# Altium PCB Arribada-PMP-PCB.PcbDoc (part 3 of 4)
Units mm, origin at the board's own origin, x right, y up, seen from the top; angles counter-clockwise.
Board outline 176.52 x 112.75 mm, 2 copper layers (Top Layer, Bottom Layer), stack 1.671 mm thick; 157 components, 106 nets, 620 pads, 1322 vias.
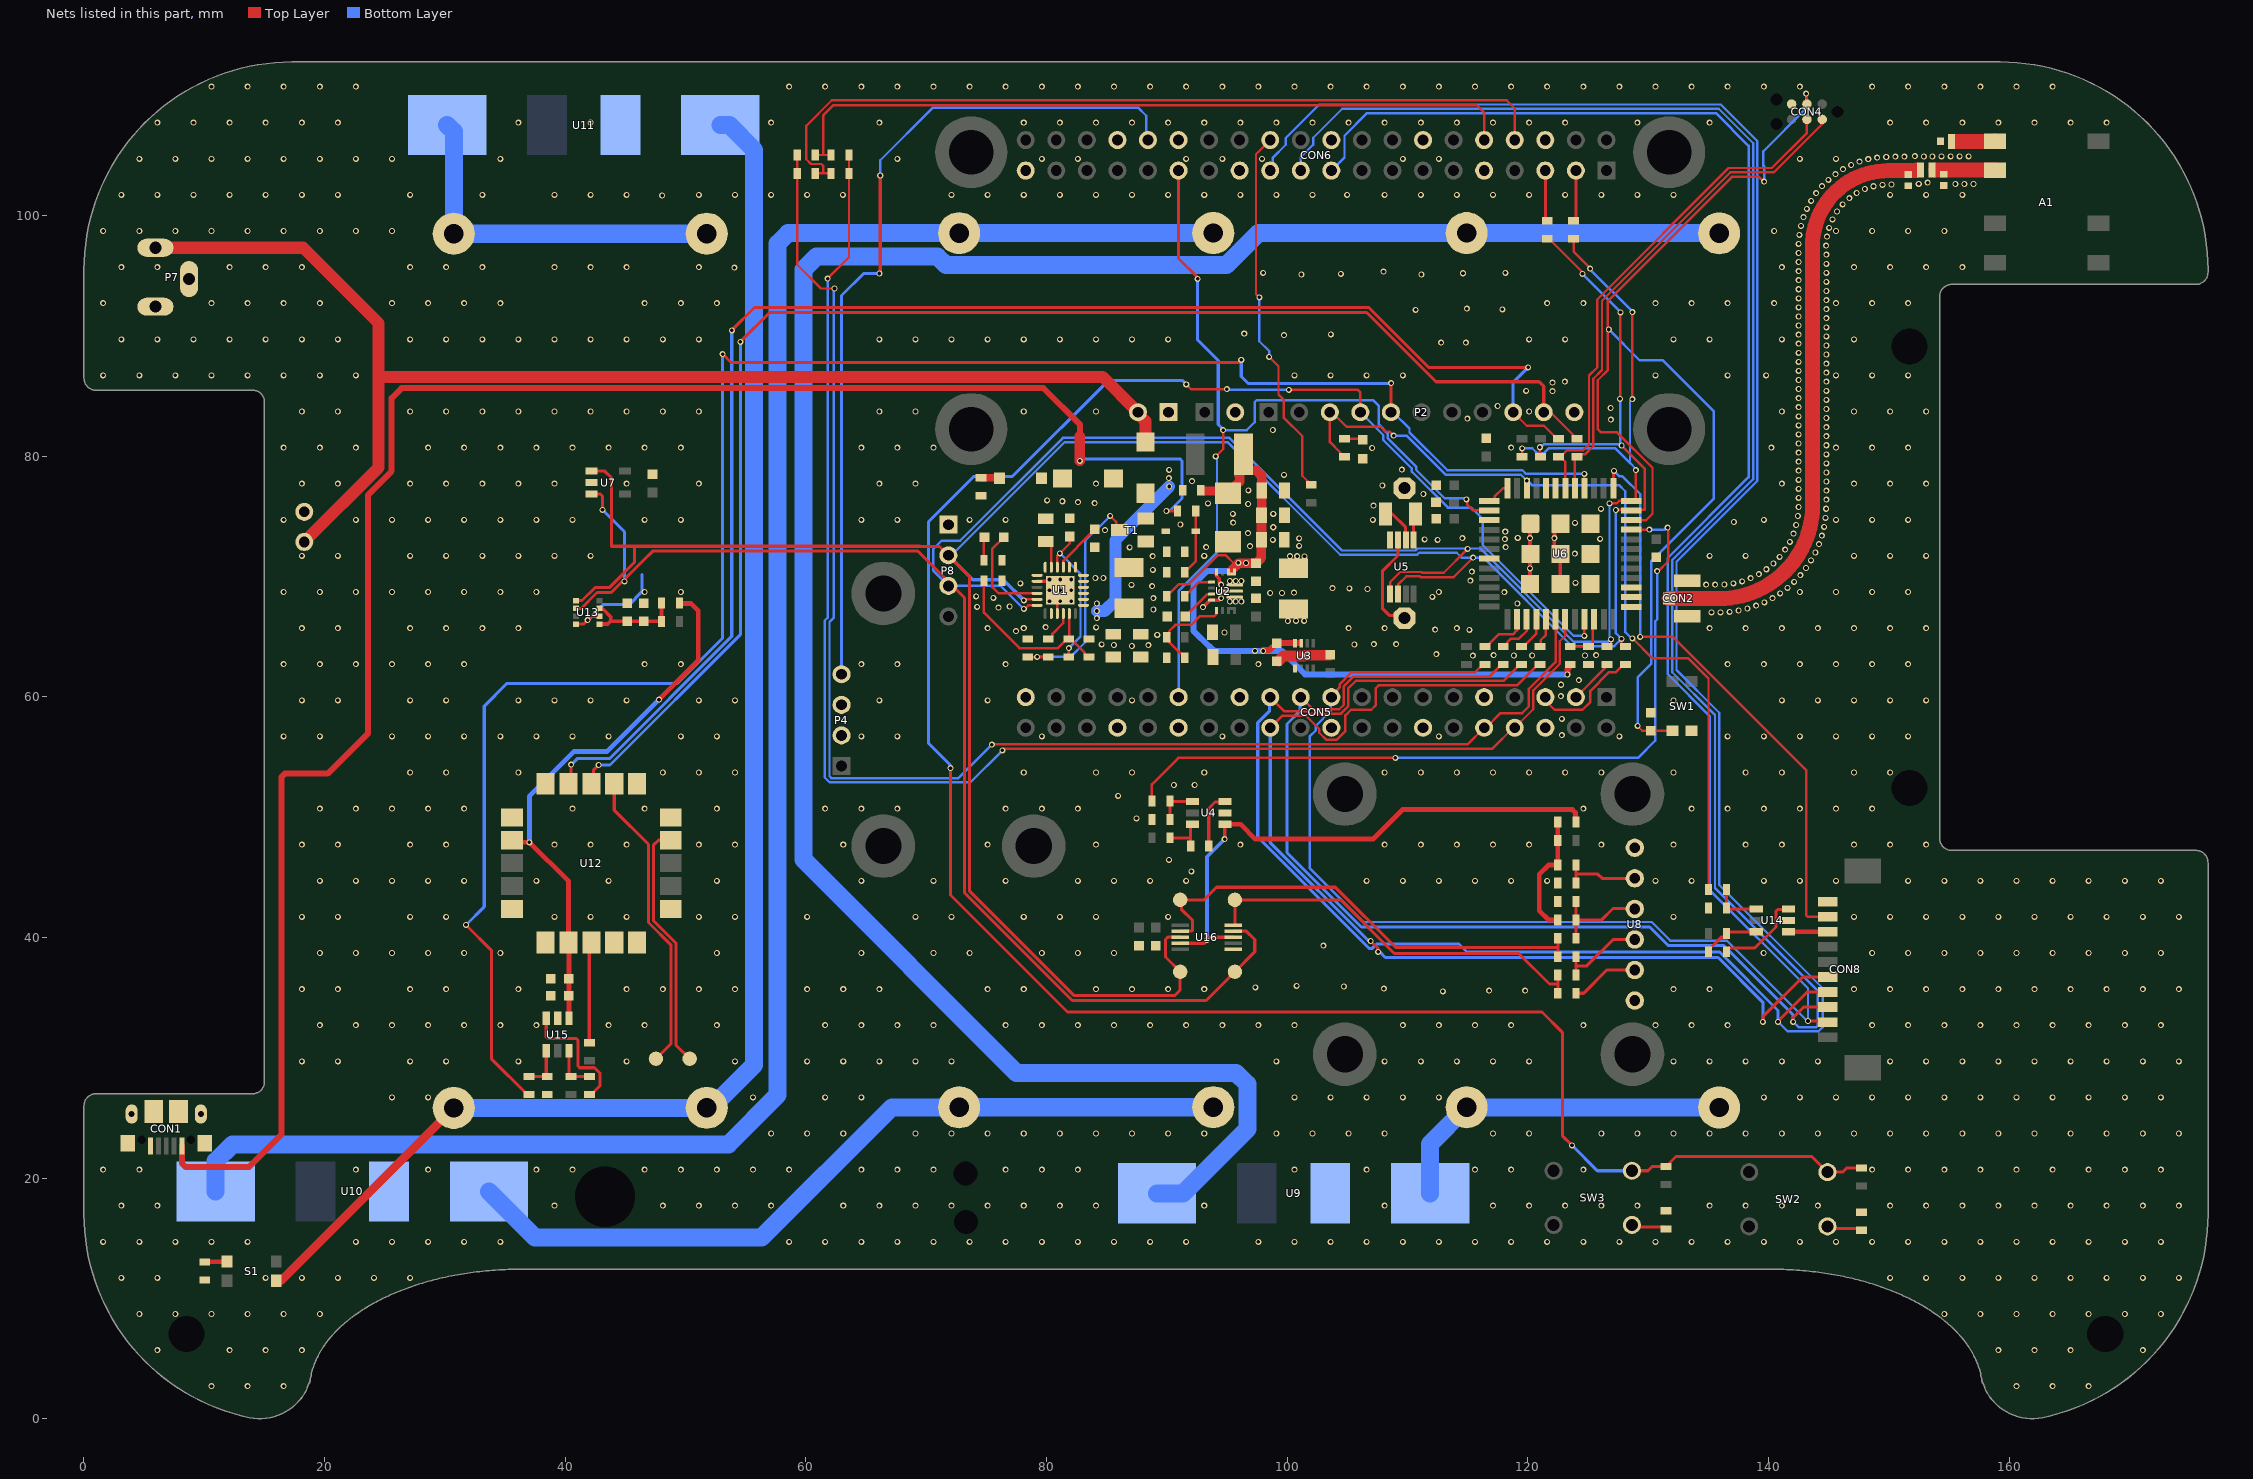
[diagram p3: the nets of this part, all layers, seen from the top]

## Via types
v1: diameter 0.5, hole 0.3, Top Layer to Bottom Layer, tented both sides, 1312 vias
v2: diameter 0.7, hole 0.5, Top Layer to Bottom Layer, tented both sides, 10 vias

## Nets (pads, with @x,y where several pads share a name; then routed paths per layer and width w, separated by ;. In a path a pad name is that pad's centre, name@x,y a point inside that pad or via, vN(x,y) a via of type N, cw(c..) or ccw(c..) an arc to the next point about the centre after c; other vN are vias at no path point) (continued)
GND: C1.2 C2.2 C4.2 C5.2 C6.1 C7.1 C8.1 C9.1 C10.1 C11.1 C12.1 C13.1 C14.2 C15.2 C16.1 C17.1 C18.1 C19.1 C20.1 C22.2 C23.2 C24.1 C25.1 C26.1 C27.1 C28.1 C29.1 CON1.5 CON1.6 CON1.7 CON1.8 CON1.9 CON1.10 CON1.11 CON2.2 CON3.NEG CON4.5 CON5.6 CON5.9 CON5.14 CON5.20 CON5.25 CON5.30 CON5.34 CON5.39 CON6.6 CON6.9 CON6.14 CON6.20 CON6.25 CON6.30 CON6.34 CON6.39 CON7.2 CON8.10 D1.2 D7.1 L3.1 L4.1 L5.1 P1.2 P2.11 P3.1 P4.2 P4.3 P7.2 P7.3 P8.1 R2.1 R8.1 R10.1 R12.1 R13.1 R14.1 R15.1 R32.1 R39.1 R40.2 R41.1 R47.2 R49.2 R51.2 R52.2 R62.2 SW1.1 T1.2 U1.2 U1.8 U1.9 U1.17 U1.18 U1.25 U2.4 U2.10 U2.15 U3.0 U3.1 U4.5 U5.4 U6.3 U6.7 U6.25 U6.27 U6.43 U6.44 U6.49 U6.50 U6.51 U6.52 U6.53 U6.54 U6.55 U6.56 U6.57 U7.2 U8.1 U8.6 U9.3 U10.3 U11.3 U12.1 U12.4 U12.5 U12.6 U12.10 U12.11 U12.15 U12.16 U12.20 U13.1 U13.7 U14.5 U15.5 U16.6 | length 31.8
  Top Layer w0.203: U1.9@80.887,66.926 80.887,68.601 v1(81.137,68.851)
  Top Layer w0.254: U13.1@40.89,66.046 41.535,66.046 v1(41.86,66.371) 42.185,66.696 U13.7@42.83,66.696
  Top Layer w0.3: U1.2@79.212,69.601 80.387,69.601 v1(81.137,68.851) ; v1(92.997,67.451) 93.577,68.031 U2.4@93.714,68.031 94.342,68.031 v1(94.507,68.196) ; U2.15@94.114,70.381 94.114,70.052 94.357,69.81 94.357,69.471 v1(94.507,69.321) ; C13.1@99.112,62.963 C13.1@99.262,62.963 ; U3.0@101.397,63.401 U3.0@101.45,63.454 ; C14.2@103.53,63.454 C14.2@103.584,63.508 ; U6.55@120.174,69.381 120.174,70.591 120.174,71.881 120.174,73.191 120.177,73.194 120.177,74.359 U6.49@120.199,74.381 ; U6.56@122.517,69.199 U6.56@122.699,69.381 U6.53@122.699,71.881 122.197,72.383 122.197,73.181 122.207,73.191 122.207,73.889 U6.50@122.699,74.381
  Top Layer w0.9: C13.1@99.262,62.963 99.699,63.401 U3.0@101.397,63.401 ; U3.0@101.45,63.454 C14.2@103.53,63.454
  Bottom Layer w0.254: v1(41.86,66.371) 43.15,67.661 45.305,67.661 46.365,68.721 46.365,70.171
  other v1: 10.601,2.71 13.601,2.71 16.601,2.71 160.601,2.71 163.601,2.71 166.601,2.71 6.101,5.71 12.101,5.71 15.101,5.71 18.101,5.71 159.101,5.71 162.101,5.71 165.101,5.71 171.101,5.71 4.601,8.71 7.601,8.71 10.601,8.71 13.601,8.71 16.601,8.71 19.601,8.71 154.601,8.71 157.601,8.71 160.601,8.71 163.601,8.71 166.601,8.71 169.601,8.71 172.601,8.71 3.101,11.71 6.101,11.71 15.101,11.71 18.101,11.71 21.101,11.71 24.101,11.71 27.101,11.71 150.101,11.71 153.101,11.71 156.101,11.71 159.101,11.71 162.101,11.71 165.101,11.71 168.101,11.71 171.101,11.71 174.101,11.71 1.601,14.71 4.601,14.71 7.601,14.71 10.601,14.71 13.601,14.71 22.601,14.71 25.601,14.71 28.601,14.71 31.601,14.71 34.601,14.71 58.601,14.71 61.601,14.71 64.601,14.71 67.601,14.71 70.601,14.71 73.601,14.71 76.601,14.71 79.601,14.71 82.601,14.71 85.601,14.71 88.601,14.71 91.601,14.71 97.601,14.71 100.601,14.71 103.601,14.71 106.601,14.71 109.601,14.71 112.601,14.71 115.601,14.71 118.601,14.71 121.601,14.71 124.601,14.71 127.601,14.71 130.601,14.71 133.601,14.71 136.601,14.71 139.601,14.71 142.601,14.71 145.601,14.71 148.601,14.71 151.601,14.71 154.601,14.71 157.601,14.71 160.601,14.71 163.601,14.71 166.601,14.71 169.601,14.71 172.601,14.71 3.101,17.71 6.101,17.71 39.101,17.71 48.101,17.71 51.101,17.71 54.101,17.71 57.101,17.71 63.101,17.71 66.101,17.71 69.101,17.71 72.101,17.71 75.101,17.71 78.101,17.71 81.101,17.71 84.101,17.71 93.101,17.71 108.101,17.71 117.101,17.71 120.101,17.71 123.101,17.71 126.101,17.71 129.101,17.71 135.101,17.71 138.101,17.71 141.101,17.71 144.101,17.71 150.101,17.71 153.101,17.71 156.101,17.71 159.101,17.71 162.101,17.71 165.101,17.71 168.101,17.71 171.101,17.71 174.101,17.71 1.601,20.71 4.601,20.71 22.601,20.71 28.601,20.71 37.601,20.71 40.601,20.71 46.601,20.71 49.601,20.71 52.601,20.71 55.601,20.71 58.601,20.71 64.601,20.71 67.601,20.71 70.601,20.71 76.601,20.71 79.601,20.71 82.601,20.71 100.601,20.71 106.601,20.71 115.601,20.71 118.601,20.71 124.601,20.71 148.601,20.71 151.601,20.71 154.601,20.71 157.601,20.71 160.601,20.71 163.601,20.71 166.601,20.71 169.601,20.71 172.601,20.71 57.101,23.71 60.101,23.71 63.101,23.71 69.101,23.71 72.101,23.71 75.101,23.71 78.101,23.71 81.101,23.71 84.101,23.71 87.101,23.71 90.101,23.71 93.101,23.71 99.101,23.71 102.101,23.71 105.101,23.71 108.101,23.71 117.101,23.71 120.101,23.71 126.101,23.71 129.101,23.71 132.101,23.71 135.101,23.71 138.101,23.71 141.101,23.71 144.101,23.71 147.101,23.71 150.101,23.71 153.101,23.71 156.101,23.71 159.101,23.71 162.101,23.71 165.101,23.71 168.101,23.71 171.101,23.71 174.101,23.71 25.601,26.71 28.601,26.71 55.601,26.71 61.601,26.71 64.601,26.71 100.601,26.71 103.601,26.71 106.601,26.71 109.601,26.71 112.601,26.71 139.601,26.71 142.601,26.71 145.601,26.71 148.601,26.71 151.601,26.71 154.601,26.71 157.601,26.71 160.601,26.71 163.601,26.71 166.601,26.71 169.601,26.71 172.601,26.71 18.101,29.71 21.101,29.71 27.101,29.71 30.101,29.71 36.101,29.71 45.101,29.71 54.101,29.71 60.101,29.71 63.101,29.71 66.101,29.71 69.101,29.71 72.101,29.71 99.101,29.71 108.101,29.71 111.101,29.71 114.101,29.71 117.101,29.71 120.101,29.71 132.101,29.71 135.101,29.71 138.101,29.71 141.101,29.71 144.101,29.71 150.101,29.71 153.101,29.71 156.101,29.71 159.101,29.71 162.101,29.71 165.101,29.71 168.101,29.71 171.101,29.71 174.101,29.71 19.601,32.71 22.601,32.71 25.601,32.71 28.601,32.71 31.601,32.71 34.601,32.71 37.601,32.71 43.601,32.71 46.601,32.71 52.601,32.71 61.601,32.71 64.601,32.71 67.601,32.71 70.601,32.71 76.601,32.71 79.601,32.71 82.601,32.71 85.601,32.71 88.601,32.71 91.601,32.71 94.601,32.71 97.601,32.71 100.601,32.71 109.601,32.71 112.601,32.71 115.601,32.71 118.601,32.71 124.601,32.71 130.601,32.71 133.601,32.71 136.601,32.71 148.601,32.71 151.601,32.71 154.601,32.71 157.601,32.71 160.601,32.71 163.601,32.71 166.601,32.71 169.601,32.71 172.601,32.71 112.925,35.525 116.775,35.575 119.775,35.575 18.101,35.71 21.101,35.71 27.101,35.71 30.101,35.71 36.101,35.71 45.101,35.71 48.101,35.71 51.101,35.71 54.101,35.71 60.101,35.71 63.101,35.71 66.101,35.71 75.101,35.71 78.101,35.71 84.101,35.71 87.101,35.71 90.101,35.71 93.101,35.71 132.101,35.71 135.101,35.71 147.101,35.71 150.101,35.71 153.101,35.71 156.101,35.71 159.101,35.71 162.101,35.71 165.101,35.71 168.101,35.71 171.101,35.71 174.101,35.71 108.025,35.75 97.35,35.85 104.7,35.925 100.775,35.975 139.596,38.705 19.601,38.71 22.601,38.71 25.601,38.71 28.601,38.71 31.601,38.71 34.601,38.71 52.601,38.71 64.601,38.71 70.601,38.71 73.601,38.71 79.601,38.71 82.601,38.71 85.601,38.71 148.601,38.71 151.601,38.71 154.601,38.71 157.601,38.71 160.601,38.71 163.601,38.71 166.601,38.71 169.601,38.71 172.601,38.71 103,39.325 18.101,41.71 21.101,41.71 27.101,41.71 30.101,41.71 39.101,41.71 42.101,41.71 45.101,41.71 51.101,41.71 54.101,41.71 60.101,41.71 69.101,41.71 72.101,41.71 78.101,41.71 81.101,41.71 84.101,41.71 90.101,41.71 132.101,41.71 147.101,41.71 150.101,41.71 153.101,41.71 156.101,41.71 159.101,41.71 162.101,41.71 165.101,41.71 168.101,41.71 171.101,41.71 174.101,41.71 19.601,44.71 22.601,44.71 25.601,44.71 28.601,44.71 31.601,44.71 37.601,44.71 43.601,44.71 52.601,44.71 64.601,44.71 70.601,44.71 76.601,44.71 82.601,44.71 85.601,44.71 88.601,44.71 91.601,44.71 106.601,44.71 109.601,44.71 112.601,44.71 115.601,44.71 118.601,44.71 121.601,44.71 130.601,44.71 133.601,44.71 139.601,44.71 142.601,44.71 145.601,44.71 151.601,44.71 154.601,44.71 157.601,44.71 160.601,44.71 163.601,44.71 166.601,44.71 169.601,44.71 172.601,44.71 92.025,45.5 90.175,46.45 18.101,47.71 21.101,47.71 27.101,47.71 30.101,47.71 39.101,47.71 42.101,47.71 45.101,47.71 51.101,47.71 54.101,47.71 63.101,47.71 75.101,47.71 84.101,47.71 96.101,47.71 108.101,47.71 111.101,47.71 114.101,47.71 117.101,47.71 120.101,47.71 126.101,47.71 132.101,47.71 138.101,47.71 141.101,47.71 147.101,47.71 150.101,47.71 153.101,47.71 87.475,49.9 19.601,50.71 22.601,50.71 25.601,50.71 28.601,50.71 31.601,50.71 40.601,50.71 46.601,50.71 52.601,50.71 61.601,50.71 64.601,50.71 67.601,50.71 76.601,50.71 79.601,50.71 82.601,50.71 124.601,50.71 133.601,50.71 136.601,50.71 139.601,50.71 142.601,50.71 145.601,50.71 148.601,50.71 85.95,51.775 90.575,52.675 92.3,52.675 27.101,53.71 30.101,53.71 36.101,53.71 48.101,53.71 51.101,53.71 54.101,53.71 78.101,53.71 84.101,53.71 87.101,53.71 93.101,53.71 108.101,53.71 111.101,53.71 114.101,53.71 117.101,53.71 120.101,53.71 123.101,53.71 126.101,53.71 132.101,53.71 138.101,53.71 141.101,53.71 147.101,53.71 150.101,53.71 16.601,56.71 19.601,56.71 25.601,56.71 28.601,56.71 31.601,56.71 34.601,56.71 37.601,56.71 40.601,56.71 43.601,56.71 49.601,56.71 52.601,56.71 64.601,56.71 67.601,56.71 79.601,56.71 94.601,56.71 112.601,56.71 127.601,56.71 136.601,56.71 139.601,56.71 142.601,56.71 145.601,56.71 148.601,56.71 151.601,56.71 122.825,56.811 122.815,58.171 18.101,59.71 21.101,59.71 27.101,59.71 30.101,59.71 36.101,59.71 39.101,59.71 42.101,59.71 45.101,59.71 51.101,59.71 54.101,59.71 66.101,59.71 75.101,59.71 87.101,59.71 132.101,59.71 141.101,59.71 144.101,59.71 147.101,59.71 150.101,59.71 153.101,59.71 122.735,60.051 122.745,61.001 124.225,61.391 16.601,62.71 19.601,62.71 22.601,62.71 25.601,62.71 28.601,62.71 31.601,62.71 46.601,62.71 49.601,62.71 64.601,62.71 67.601,62.71 76.601,62.71 97.601,62.71 136.601,62.71 139.601,62.71 142.601,62.71 145.601,62.71 148.601,62.71 151.601,62.71 115.422,63.426 118.827,63.431 120.345,63.431 124.745,63.431 117.155,63.461 125.665,63.461 112.385,63.541 87.085,64.221 85.585,64.301 88.455,64.291 84.575,64.361 105.575,64.351 107.195,64.371 109.055,64.371 89.195,65.151 94.785,65.341 77.455,65.461 112.285,65.581 115.135,65.561 18.101,65.71 21.101,65.71 27.101,65.71 30.101,65.71 33.101,65.71 36.101,65.71 75.101,65.71 78.101,65.71 105.101,65.71 108.101,65.71 114.101,65.71 135.101,65.71 138.101,65.71 141.101,65.71 144.101,65.71 147.101,65.71 150.101,65.71 153.101,65.71 79.915,65.781 84.115,65.771 135.252,67.02 136.006,67.026 136.759,67.063 137.506,67.17 88.875,67.251 138.241,67.339 76.005,67.411 74.235,67.471 76.935,67.501 138.959,67.569 119.125,67.751 139.656,67.857 80.237,67.951 81.137,67.951 82.037,67.951 88.875,68.191 75.575,68.221 140.326,68.202 112.055,68.301 74.145,68.351 140.965,68.601 98.577,68.631 99.558,68.631 100.557,68.651 118.035,68.701 16.601,68.71 19.601,68.71 22.601,68.71 25.601,68.71 28.601,68.71 31.601,68.71 34.601,68.71 37.601,68.71 46.601,68.71 49.601,68.71 112.601,68.71 142.601,68.71 145.601,68.71 148.601,68.71 151.601,68.71 94.512,68.767 80.237,68.851 82.037,68.851 106.665,68.961 105.165,69.011 103.755,69.031 141.57,69.053 88.775,69.201 87.055,69.311 134.811,69.322 135.565,69.322 136.319,69.335 77.817,69.426 137.068,69.423 123.955,69.471 142.128,69.559 137.802,69.597 115.215,69.651 80.237,69.751 81.137,69.751 82.037,69.751 84.047,69.871 84.717,69.871 138.511,69.854 142.641,70.111 139.186,70.19 115.345,70.401 88.835,70.551 139.818,70.601 120.174,70.677 143.107,70.705 140.399,71.082 143.521,71.335 140.921,71.626 88.815,71.691 18.101,71.71 21.101,71.71 27.101,71.71 30.101,71.71 33.101,71.71 36.101,71.71 39.101,71.71 42.101,71.71 93.101,71.71 135.101,71.71 138.101,71.71 147.101,71.71 150.101,71.71 153.101,71.71 123.905,71.891 143.882,71.997 141.377,72.226 86.905,72.421 93.265,72.431 118.147,72.437 96.905,72.521 100.985,72.551 144.187,72.686 141.762,72.874 112.495,73.041 98.795,73.051 111.425,73.091 118.075,73.1 126.005,73.121 100.995,73.171 114.545,73.191 120.177,73.191 122.197,73.191 119.155,73.211 144.433,73.399 142.07,73.563 96.735,73.601 118.115,73.731 84.855,73.851 98.835,74.091 144.616,74.13 142.297,74.282 91.115,74.321 95.505,74.471 123.915,74.451 137.112,74.528 16.601,74.71 22.601,74.71 25.601,74.71 28.601,74.71 31.601,74.71 34.601,74.71 37.601,74.71 40.601,74.71 46.601,74.71 49.601,74.71 64.601,74.71 67.601,74.71 73.601,74.71 76.601,74.71 107.115,74.711 139.601,74.71 145.601,74.71 148.601,74.71 151.601,74.71 144.73,74.876 142.44,75.022 98.835,75.201 95.475,75.211 126.075,75.625 144.782,75.628 142.498,75.774 107.165,75.881 96.755,76.021 93.415,76.081 83.985,76.101 82.605,76.181 81.315,76.251 80.045,76.321 144.797,76.382 142.495,76.528 111.305,76.851 144.797,77.136 96.765,77.151 142.495,77.282 107.905,77.561 18.101,77.71 21.101,77.71 27.101,77.71 30.101,77.71 33.101,77.71 36.101,77.71 39.101,77.71 45.101,77.71 51.101,77.71 66.101,77.71 69.101,77.71 84.101,77.71 141.101,77.71 147.101,77.71 150.101,77.71 153.101,77.71 144.797,77.89 92.085,77.921 142.495,78.036 99.725,78.451 144.797,78.644 142.495,78.79 109.525,78.871 144.797,79.398 142.495,79.544 144.797,80.152 142.495,80.298 107.055,80.681 16.601,80.71 19.601,80.71 22.601,80.71 28.601,80.71 31.601,80.71 34.601,80.71 37.601,80.71 40.601,80.71 43.601,80.71 46.601,80.71 49.601,80.71 64.601,80.71 67.601,80.71 70.601,80.71 118.601,80.71 140.227,80.71 145.601,80.71 148.601,80.71 151.601,80.71 144.797,80.906 142.495,81.052 144.797,81.66 142.495,81.806 98.795,82.171 144.797,82.414 142.495,82.56 126.885,83.031 114.96,83.115 144.797,83.168 142.495,83.314 18.101,83.71 21.101,83.71 27.101,83.71 30.101,83.71 33.101,83.71 36.101,83.71 39.101,83.71 42.101,83.71 45.101,83.71 48.101,83.71 51.101,83.71 66.101,83.71 69.101,83.71 78.101,83.71 84.101,83.71 120.101,83.71 141.101,83.71 147.101,83.71 150.101,83.71 153.101,83.71 144.797,83.922 126.875,84.001 142.495,84.068 117.485,84.167 144.797,84.676 142.495,84.822 122.045,85.401 119.855,85.431 144.797,85.43 142.495,85.576 122.045,86.111 123.075,86.191 144.797,86.184 142.495,86.33 1.601,86.71 4.601,86.71 7.601,86.71 10.601,86.71 13.601,86.71 16.601,86.71 19.601,86.71 22.601,86.71 100.601,86.71 103.601,86.71 106.601,86.71 109.601,86.71 130.601,86.71 136.601,86.71 139.805,86.71 145.601,86.71 148.601,86.71 151.601,86.71 144.797,86.938 142.495,87.084 144.797,87.692 142.495,87.838 144.797,88.446 142.495,88.592 144.797,89.2 142.495,89.346 112.781,89.436 114.84,89.436 3.101,89.71 6.101,89.71 9.101,89.71 12.101,89.71 15.101,89.71 18.101,89.71 21.101,89.71 27.101,89.71 30.101,89.71 33.101,89.71 36.101,89.71 39.101,89.71 42.101,89.71 45.101,89.71 48.101,89.71 51.101,89.71 66.101,89.71 69.101,89.71 72.101,89.71 75.101,89.71 78.101,89.71 81.101,89.71 84.101,89.71 87.101,89.71 90.101,89.71 120.101,89.71 123.101,89.71 132.101,89.71 135.101,89.71 141.101,89.71 147.101,89.71 144.797,89.954 99.725,90.05 142.495,90.1 103.625,90.125 96.425,90.175 144.797,90.708 142.495,90.854 144.797,91.462 142.495,91.608 110.675,92.15 117.875,92.2 144.797,92.216 114.925,92.25 142.495,92.362 1.601,92.71 10.601,92.71 13.601,92.71 16.601,92.71 19.601,92.71 25.601,92.71 28.601,92.71 31.601,92.71 34.601,92.71 46.601,92.71 49.601,92.71 52.601,92.71 121.601,92.71 124.601,92.71 130.601,92.71 133.601,92.71 136.601,92.71 140.459,92.71 145.601,92.71 148.601,92.71 151.601,92.71 144.797,92.97 142.495,93.116 144.797,93.724 142.495,93.87 144.797,94.478 142.495,94.624 101.175,95.1 111.15,95.1 104.45,95.15 114.6,95.2 98,95.225 118.125,95.225 144.797,95.232 108,95.325 142.495,95.378 54.053,95.662 3.101,95.71 6.101,95.71 12.101,95.71 15.101,95.71 18.101,95.71 27.101,95.71 30.101,95.71 33.101,95.71 39.101,95.71 42.101,95.71 45.101,95.71 51.101,95.71 141.101,95.71 147.101,95.71 150.101,95.71 153.101,95.71 156.101,95.71 144.797,95.986 142.495,96.132 144.797,96.74 142.495,96.886 144.79,97.494 142.506,97.64 144.857,98.245 142.562,98.392 1.601,98.71 4.601,98.71 7.601,98.71 10.601,98.71 13.601,98.71 16.601,98.71 19.601,98.71 22.601,98.71 25.601,98.71 140.459,98.71 145.601,98.71 148.601,98.71 151.601,98.71 154.601,98.71 145.032,98.978 142.693,99.134 145.311,99.678 142.901,99.859 145.689,100.331 143.186,100.557 146.157,100.922 143.539,101.223 146.706,101.439 48.053,101.662 3.101,101.71 6.101,101.71 9.101,101.71 12.101,101.71 15.101,101.71 18.101,101.71 21.101,101.71 27.101,101.71 33.101,101.71 39.101,101.71 42.101,101.71 45.101,101.71 51.101,101.71 54.101,101.71 57.101,101.71 60.101,101.71 63.073,101.71 72.101,101.71 75.101,101.71 78.101,101.71 81.101,101.71 84.101,101.71 87.101,101.71 90.101,101.71 93.101,101.71 96.101,101.71 99.101,101.71 102.101,101.71 104.973,101.71 108.101,101.71 111.101,101.71 114.101,101.71 117.101,101.71 120.101,101.71 123.101,101.71 126.101,101.71 129.101,101.71 132.101,101.71 150.101,101.71 153.101,101.71 156.101,101.71 143.957,101.85 147.324,101.871 148.001,102.203 144.437,102.433 148.72,102.43 149.464,102.55 150.218,102.575 152.479,102.624 155.521,102.617 156.275,102.617 157.029,102.617 153.225,102.732 144.972,102.964 145.558,103.438 146.188,103.852 146.857,104.2 147.557,104.479 148.283,104.684 4.601,104.71 7.601,104.71 10.601,104.71 13.601,104.71 16.601,104.71 19.601,104.71 22.601,104.71 25.601,104.71 34.601,104.71 67.601,104.71 79.601,104.71 82.601,104.71 91.601,104.71 94.601,104.71 97.902,104.706 109.601,104.71 112.601,104.71 142.601,104.71 145.601,104.71 149.026,104.813 149.778,104.863 150.532,104.882 151.286,104.894 152.9,104.9 152.15,104.925 153.616,104.902 154.37,104.919 155.124,104.919 155.878,104.919 156.632,104.919 6.101,107.71 9.101,107.71 12.101,107.71 15.101,107.71 18.101,107.71 21.101,107.71 36.101,107.71 42.101,107.71 57.101,107.71 66.101,107.71 78.101,107.71 81.101,107.71 84.101,107.71 87.101,107.71 90.101,107.71 93.101,107.71 96.101,107.71 99.101,107.71 102.101,107.71 105.101,107.71 108.101,107.71 111.101,107.71 114.101,107.71 117.101,107.71 120.101,107.71 123.101,107.71 129.101,107.71 135.101,107.71 150.101,107.71 153.101,107.71 156.101,107.71 159.101,107.71 162.101,107.71 165.101,107.71 168.101,107.71 10.601,110.71 13.601,110.71 16.601,110.71 19.601,110.71 22.601,110.71 58.601,110.71 61.601,110.71 64.601,110.71 67.601,110.71 70.601,110.71 73.601,110.71 76.601,110.71 79.601,110.71 82.601,110.71 85.601,110.71 88.601,110.71 91.601,110.71 94.601,110.71 97.601,110.71 100.601,110.71 103.601,110.71 106.601,110.71 109.601,110.71 112.601,110.71 115.601,110.71 118.601,110.71 121.601,110.71 124.601,110.71 127.601,110.71 130.601,110.71 133.601,110.71 136.601,110.71 139.601,110.71 142.601,110.71 148.601,110.71 151.601,110.71 154.601,110.71 157.601,110.71 160.601,110.71 163.601,110.71
GPIO_BCM5: CON5.29 CON6.29 U6.2 | length 76.2
  Top Layer w0.203: v1(94.057,79.981) 94.677,80.601 v1(94.677,82.161) ; v1(114.884,76.407) 114.971,76.32 114.971,75.946 115.432,75.486 U6.2@116.797,75.486
  Top Layer w0.254: CON6.29@90.964,103.731 90.964,96.433 92.555,94.841 v1(92.555,94.731)
  Bottom Layer w0.203: CON5.29@90.965,59.968 90.965,68.786 94.162,71.984 94.162,79.876 v1(94.057,79.981) ; v1@94.798,82.156 96.624,82.156 97.297,82.828 97.297,84.485 97.466,84.655 99.312,84.655 99.316,84.652 100.577,84.652 100.581,84.655 107.12,84.655 107.617,84.159 107.617,84.071 107.613,84.067 107.613,82.618 108.338,81.893 108.338,81.495 110.703,79.129 110.703,78.867 113.069,76.501 114.79,76.501 v1(114.884,76.407)
  Bottom Layer w0.254: v1(92.555,94.731) 92.555,89.651 94.265,87.941 94.265,82.624 94.677,82.212 v1(94.677,82.161)
GPIO_FLASH: CON6.32 P4.4 | length 71.2
  Top Layer w0.203: v1(66.176,103.321) v1@66.314,103.321
  Top Layer w0.254: v1(66.105,95.181) 66.176,95.252 v1(66.176,103.321)
  Bottom Layer w0.203: v1(66.176,103.321) 66.176,104.592 70.525,108.941 87.635,108.941 88.285,108.291 88.285,106.41 CON6.32@88.424,106.271
  Bottom Layer w0.254: P4.4@62.962,61.873 62.962,93.346 64.797,95.181 v1(66.105,95.181)
GPIO_PA0: R30.2 U6.33 | length 66.1
  Top Layer w0.2: R30.2@88.75,51.33 88.75,52.725 90.95,54.925 v1(108.975,54.925)
  Top Layer w0.203: U6.33@128.597,73.886 130.09,73.886 v1(130.095,73.891) ; v1(130.736,70.45) 130.854,70.45 131.665,71.261 131.665,74.003 v1(131.609,74.059)
  Bottom Layer w0.2: v1(108.975,54.925) 129.15,54.925 130.586,56.361 130.586,66.278 130.736,66.428 v1(130.736,70.45)
  Bottom Layer w0.203: v1(130.095,73.891) 131.361,73.891 131.529,74.059 v1(131.609,74.059)
GPIO_PA5: P2.4 R36.1 R46.1 SW2.4 SW3.4 U6.21 | length 195.3
  Top Layer w0.203: v1(91.606,85.961) 92.006,85.561 v1(94.986,85.561) ; v1(100.134,85.511) 105.868,85.511 106.077,85.302 P2.4@106.077,83.651 ; v1(124.696,65.063) 124.699,65.066 U6.21@124.699,66.432
  Top Layer w0.254: v1(72.015,54.071) 72.015,43.529 81.743,33.802 121.165,33.802 122.855,32.112 122.855,23.531 v1(123.665,22.721) ; SW3.4@128.641,20.613 129.977,20.613 130.327,20.963 R46.1@131.481,20.963 132.31,21.791 143.593,21.791 SW2.4@144.891,20.493 146.147,20.493 146.497,20.843 R36.1@147.721,20.843
  Bottom Layer w0.203: v1(94.986,85.561) 95.011,85.536 100.109,85.536 v1(100.134,85.511) ; P2.4@106.077,83.651 107.982,81.746 107.982,81.348 110.348,78.982 110.348,78.72 113.346,75.721 115.291,75.721 116.244,74.768 116.244,72.631 123.811,65.063 v1(124.696,65.063)